# Altium PCB Sistema.PcbDoc (continued)
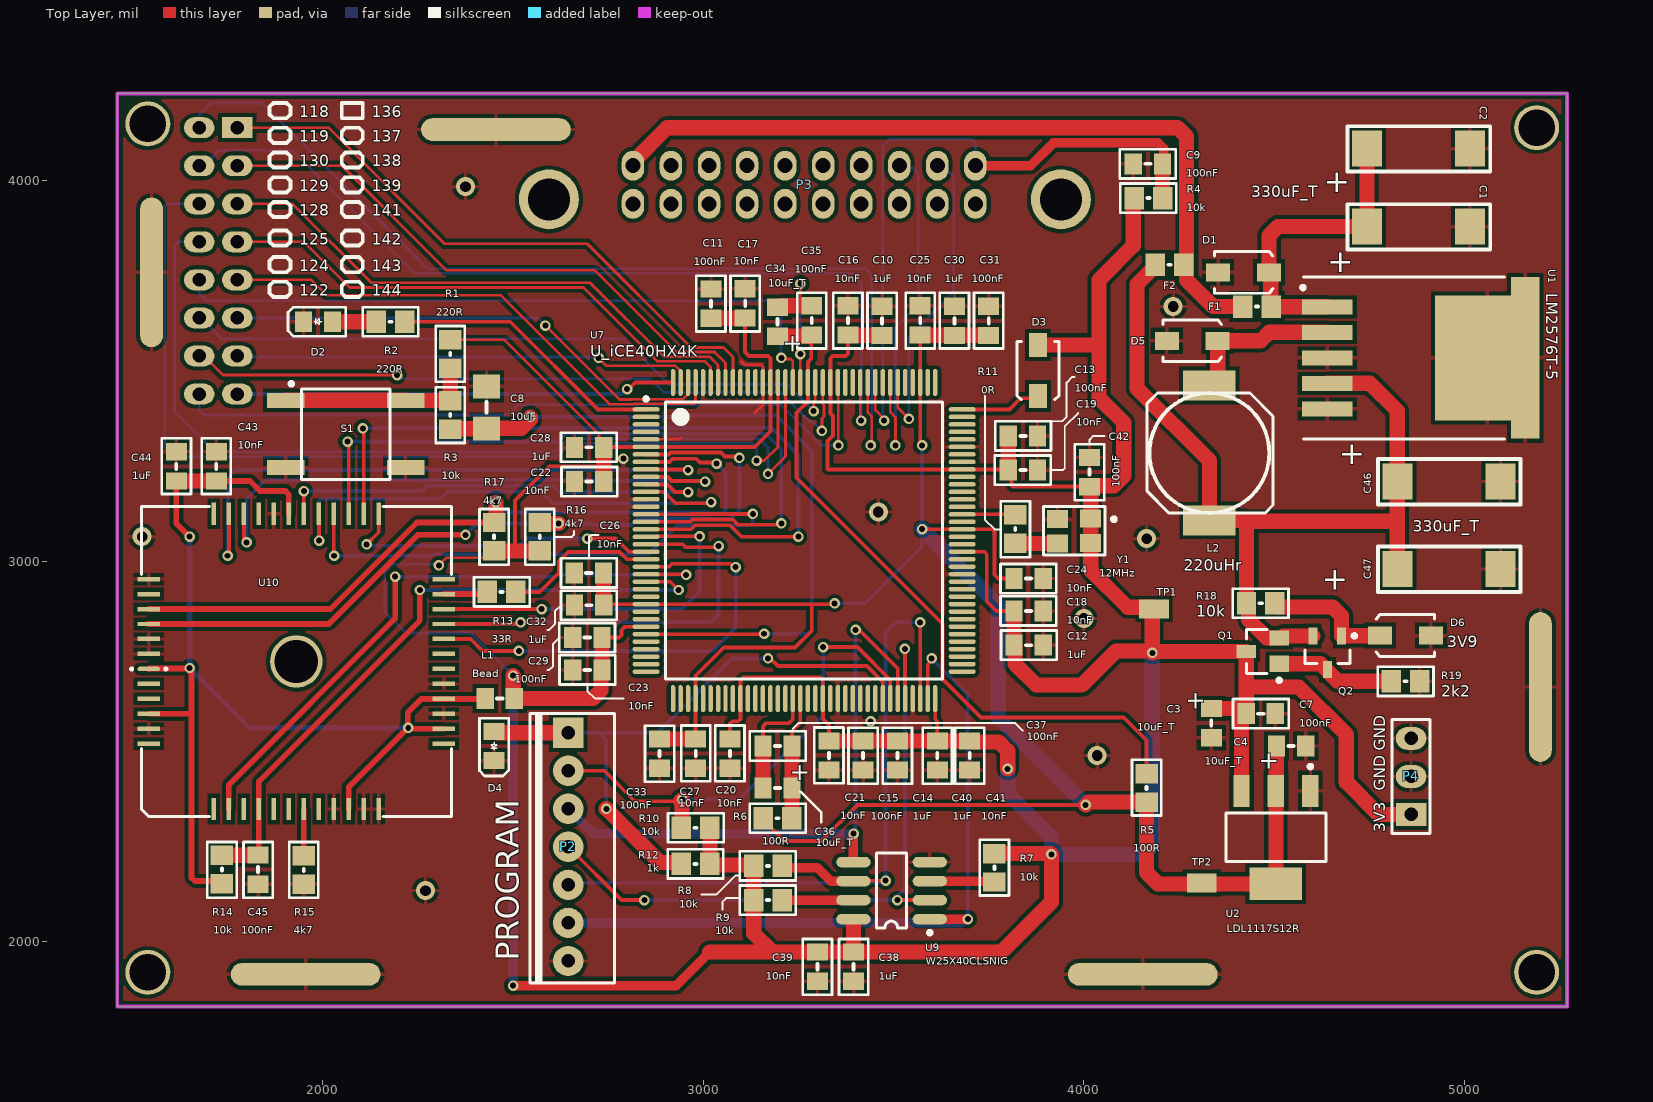
[diagram p0: Top Layer view]
## Part data (continued)
F1 F2: library part F_?_0805, "(Generico) Fuse SMD 0805", Supplier Part Number 1=SF-1206S200-2CT-ND, LatestRevisionDate=17-Jul-2002, LatestRevisionNote="Re-released for DXP Platform.", Origin=TAIWAN, PackageDescription="Thru-Hole; 2 Leads", PackageReference=PIN-W2/E2.8, Published=8-Jun-2000, Publisher="Altium Limited", Supplier 1=Digi-Key
L1: library part L_Bead, "Inductor SMD 0805", Case Code (Imperial)=0805, Case Code (Metric)=2012, Manufacturer=Pulse, Manufacturer Part Number=PE-0805PFB600ST, Max Current Rating=3A, Max Operating Temperature=105°C, Min Operating Temperature=-40°C, Package Quantity=4000, Supplier Part Number 1=673-PE-0805PFB600ST, Case/Package=0805, Category="Ferrite Beads and Chips", ComponentLink1Description=https://productfinder.pulseeng.com/doc_type/WEB301/doc_num/WC706/doc_part/WC706.pdf?src-supplier=Digikey, ComponentLink1URL=https://productfinder.pulseeng.com/doc_type/WEB301/doc_num/WC706/doc_part/WC706.pdf?src-supplier=Digikey, ComponentLink2Description=http://productfinder.pulseeng.com/products/datasheets/WC706.pdf?src-supplier=Digikey, ComponentLink2URL=http://productfinder.pulseeng.com/products/datasheets/WC706.pdf?src-supplier=Digikey, Height=0.041inch, Length=0.079inch, Mounting Technology="Surface Mount", Number of Lines=1, Packaging="Cut Tape", Pricing 1="1=0,1, 10=0,051, 50=0,051, 100=0,035, 1000=0,025, 10000=0,02 (USD)", RoHS=Yes, RoHS Compliant=Yes, Series=PFB, Stock 1=58506, Supplier 1=Mouser, Width=0.049inch
L2: library part L_?_5, "(Generico)  Inductor SMD 10x10"
P1: library part "P_Conector 8x2"
P2: library part "P_BORNERA 7", "Bornera 7"
P3: library part P_Conector_20_H, "Conector 20 Position Din Connector Plug, Male Pins Gold Through Hole, Right Angle", Current Rating=2A, Flammability Rating="UL94 V-0", Manufacturer="HARTING Technology", Manufacturer Part Number=09242206825, Package Quantity=20, Supplier Part Number 1=617-09-24-220-6825, Category="DIN 41612 Connectors", ComponentLink1Description=https://datasheet.ciiva.com/11731/0900766b811d3497-11731844.pdf?src-supplier=Rs, ComponentLink1URL=https://datasheet.ciiva.com/11731/0900766b811d3497-11731844.pdf?src-supplier=Rs, Connector Type=Receptacle, Contact Material="Copper Alloy", Contact Plating=Gold, Gender=Female, Housing Material=Thermoplastic, Insulation Material=Glass, Lead Free="Lead Free", Mounting Technology="Through Hole", Number of Contacts=20, Number of Positions=20, Number of Rows=2, Orientation=Straight, Packaging=Bulk, Pitch=2.54mm, Pricing 1="1=4,87, 10=4,27, 50=4,27, 100=3,55, 1000=2,94, 10000=2,74 (USD)", RoHS=Yes, RoHS Compliant=Yes, Series="DIN 41612", Shell Size=3B, Stock 1=166, Supplier 1=Mouser, Tail Length=4.5mm, Termination=Solder
P4: library part "P_Header 3", "Header, 3-Pin"
Q1: library part Q_SQ2389CES-T1_GE3, Supplier Part Number 1=78-SQ2389CES-T1_GE3, Supplier 1=Mouser
Q2: library part Q_BC856, "TRANS PNP 65V 0.1A SOT23", Case/Package=SOT-23-3, Clock Frequency=100MHz, Collector Base Voltage (VCBO)=80V, Collector Emitter Breakdown Voltage=65V, Collector Emitter Saturation Voltage=-650mV, Collector-emitter Voltage-Max=650mV, Current Rating=-100mA, Emitter Base Voltage (VEBO)=5V, Manufacturer="ON Semiconductor", Max Collector Current=100mA, Max Operating Temperature=150°C, Max Power Dissipation=300mW, Min Operating Temperature=-55°C, Package Quantity=3000, Supplier Part Number 1=863-BC856ALT1G, Voltage Rating (DC)=-65V, Category=BJTs, Collector Emitter Voltage (VCEO)=65V, ComponentLink1Description="Manufacturer Link", ComponentLink1URL=http://www.fairchildsemi.com/, ComponentLink2Description=Datasheet, ComponentLink2URL=http://www.fairchildsemi.com/ds/2N%2F2N3904.pdf, ComponentLink3Description=http://www.farnell.com/datasheets/1840529.pdf?src-supplier=Farnell, ComponentLink3URL=http://www.farnell.com/datasheets/1840529.pdf?src-supplier=Farnell, ComponentLink4Description=http://www.alliedelec.com/m/d/ae2fff4c1f3549b23e4cd9e6cc054b51.pdf?src-supplier=Allied+Electronics, ComponentLink4URL=http://www.alliedelec.com/m/d/ae2fff4c1f3549b23e4cd9e6cc054b51.pdf?src-supplier=Allied+Electronics, ComponentLink5Description=http://www.mouser.com/ds/2/308/BC856ALT1-D-249456.pdf?src-supplier=Mouser, ComponentLink5URL=http://www.mouser.com/ds/2/308/BC856ALT1-D-249456.pdf?src-supplier=Mouser, ComponentLink6Description=http://www.farnell.com/datasheets/1840529.pdf?src-supplier=Element14, ComponentLink6URL=http://www.farnell.com/datasheets/1840529.pdf?src-supplier=Element14, ComponentLink7Description=http://www.farnell.com/datasheets/1840529.pdf?src-supplier=Newark, ComponentLink7URL=http://www.farnell.com/datasheets/1840529.pdf?src-supplier=Newark, Contact Plating=Tin,Matte, Frequency=100MHz, Gain Bandwidth Product=100MHz, Height=0.94mm, hFE Min=125, Lead Free="Lead Free", Length=2.9mm, Manufacturer Part Number=BC856ALT1G, Max Breakdown Voltage=65V, Number of Elements=1, Packaging="Tape and Reel", Pins=3, Polarity=PNP, Power Dissipation=300mW, Pricing 1="1=0,11, 10=0,071, 50=0,071, 100=0,034, 1000=0,021, 10000=0,015 (USD)", Radiation Hardening=No, Reach SVHC Compliant=No, RoHS=Yes, RoHS Compliant=Yes, Series=-, Stock 1=30566, Supplier 1=Mouser, Transition Frequency=100MHz, Width=1.3mm
R1 R2: library part R_220R_b, "Resistor SMD 0805", Case Code (Imperial)=0805, Case Code (Metric)=2012, Manufacturer=Bourns, Manufacturer Part Number=CR0805-FX-2200ELF, Max Operating Temperature=155°C, Max Power Dissipation=125mW, Min Operating Temperature=-55°C, Package Quantity=5000, Supplier Part Number 1=CR0805-FX-2200ELFCT-ND, Temperature Coefficient=100ppm/°C, Tolerance=1%, Voltage Rating=150V, Case/Package=0805, Category="Chip SMD Resistors", ComponentLink1Description=https://datasheet.ciiva.com/5540/chpreztr-5540846.pdf?src-supplier=Mouser, ComponentLink1URL=https://datasheet.ciiva.com/5540/chpreztr-5540846.pdf?src-supplier=Mouser, Contact Plating=Tin, Features="Moisture Resistant", Height=0.5mm, Length=2mm, Mounting Technology="Surface Mount", Number of Terminations=2, Packaging="Tape and Reel", Power Rating=125mW, Pricing 1="1=0,1, 10=0,021, 50=0,0132, 100=0,011, 500=0,00744, 1000=0,00639 (USD)", Radiation Hardening=No, RoHS=Yes, RoHS Compliant=Yes, Series=CR0805, Stock 1=162372, Supplier 1=Digikey, Termination=SMD/SMT, Thickness=508um, Width=1.25mm
R3 R4 R7 R8 R9 R10 R14 R18: library part R_10k_b, "Resistor SMD 0805", Case Code (Imperial)=0805, Case Code (Metric)=2012, Manufacturer=Yageo, Manufacturer Part Number=AC0805FR-0710KL, Max Operating Temperature=155°C, Max Power Dissipation=125mW, Min Operating Temperature=-55°C, Package Quantity=1, Supplier Part Number 1=311-10KLGCT-ND, Temperature Coefficient=100ppm/°C, Tolerance=1%, Voltage Rating=150V, Case/Package=0805, Category="Chip SMD Resistors", ComponentLink1Description=http://www.yageo.com/NewPortal/yageodocoutput?fileName=/pdf/R-Chip/PYu-AC_51_RoHS_L_6.pdf&src-supplier=Digikey, ComponentLink1URL=http://www.yageo.com/NewPortal/yageodocoutput?fileName=/pdf/R-Chip/PYu-AC_51_RoHS_L_6.pdf&src-supplier=Digikey, ComponentLink2Description=http://www.yageo.com/documents/recent/PYu-AC_51_RoHS_L_2_revised.pdf?src-supplier=Future+Electronics, ComponentLink2URL=http://www.yageo.com/documents/recent/PYu-AC_51_RoHS_L_2_revised.pdf?src-supplier=Future+Electronics, ComponentLink3Description=http://www.yageo.com/NewPortal/yageodocoutput?fileName=/pdf/R-Chip/PYu-AC_51_RoHS_L_6.pdf&src-supplier=NAC+Semi, ComponentLink3URL=http://www.yageo.com/NewPortal/yageodocoutput?fileName=/pdf/R-Chip/PYu-AC_51_RoHS_L_6.pdf&src-supplier=NAC+Semi, ComponentLink4Description=http://www.yageo.com/NewPortal/yageodocoutput?fileName=/pdf/R-Chip/PYu-AC_51_RoHS_L_6.pdf&src-supplier=Rutronik, ComponentLink4URL=http://www.yageo.com/NewPortal/yageodocoutput?fileName=/pdf/R-Chip/PYu-AC_51_RoHS_L_6.pdf&src-supplier=Rutronik, Construction=Rectangular, Depth=1.25mm, Features="Moisture Resistant,Automotive AEC-Q200,Anti-Sulfur", Height=0.024inch, Lead Free="Lead Free", Length=0.079inch, Military Standard=Not, Number of Terminations=2, Packaging="Tape and Reel", Power Rating=125mW, Pricing 1="1=0,1, 10=0,031, 50=0,0198, 100=0,0166, 500=0,01152, 1000=0,00997 (USD)", RoHS=Yes, RoHS Compliant=Yes, Series=AC, Stock 1=480247, Supplier 1=Digikey, Termination=SMD/SMT, Width=0.049inch
R5 R6: library part R_100R_b, "Resistor SMD 0805", Case Code (Imperial)=0805, Case Code (Metric)=2012, Manufacturer="Vishay Dale", Manufacturer Part Number=CRCW0805100RFKEA, Max Operating Temperature=155°C, Max Power Dissipation=125mW, Min Operating Temperature=-55°C, Package Quantity=10, Resistance Tolerance=1%, Resistor Type="Thick Film", Supplier Part Number 1=71-CRCW0805-100-E3, Temperature Coefficient=100ppm/°C, Voltage Rating=150V, Case/Package=0805, Category="Chip SMD Resistors", ComponentLink1Description=https://datasheet.ciiva.com/2495/dcrcwe3-2495842.pdf?src-supplier=Digikey, ComponentLink1URL=https://datasheet.ciiva.com/2495/dcrcwe3-2495842.pdf?src-supplier=Digikey, ComponentLink2Description=https://datasheet.ciiva.com/16760/70201119-16760940.pdf?src-supplier=Allied+Electronics, ComponentLink2URL=https://datasheet.ciiva.com/16760/70201119-16760940.pdf?src-supplier=Allied+Electronics, ComponentLink3Description=https://datasheet.ciiva.com/16777/70201119-16777129.pdf?src-supplier=Allied+Electronics, ComponentLink3URL=https://datasheet.ciiva.com/16777/70201119-16777129.pdf?src-supplier=Allied+Electronics, ComponentLink4Description=https://datasheet.ciiva.com/5546/dcrcwe3-109170-5546700.pdf?src-supplier=Mouser, ComponentLink4URL=https://datasheet.ciiva.com/5546/dcrcwe3-109170-5546700.pdf?src-supplier=Mouser, Construction=Rectangular, Contact Plating=Tin, Depth=1.25mm, Features="Automotive AEC-Q200", Height=0.45mm, Lead Free=5697LeadFree, Length=2mm, Military Standard=Not, Number of Terminations=2, Packaging="Tape and Reel", Pins=2NUMBER, Power Rating=125mW, Pricing 1="1=0,1, 10=0,025, 50=0,025, 100=0,015, 1000=0,012, 10000=0,008 (USD)", Radiation Hardening=No, Reach SVHC Compliant=Unknown, RoHS=Yes, RoHS Compliant=Yes, Series=CRCW, Stock 1=173839, Supplier 1=Mouser, Technology="THICK FILM", Termination=SMD/SMT, Tolerance=1%, Voltage Rating (DC)=150V, Weight=0.000194oz, Width=0.049inch
R11: library part R_0R_b, "Resistor SMD 0805", Case Code (Imperial)=0805, Case Code (Metric)=2012, Manufacturer="Stackpole Electronics", Manufacturer Part Number=RMCF0805ZT0R00, Max Operating Temperature=155°C, Max Power Dissipation=125mW, Min Operating Temperature=-55°C, Ratings=AEC-Q200, Supplier Part Number 1=RMCF0805ZT0R00CT-ND, Temperature Coefficient=200ppm/°C, Voltage Rating=150V, Case/Package=0805, Category="Chip SMD Resistors", ComponentLink1Description=https://datasheet.ciiva.com/15193/getdatasheetpartid-360417-15193658.pdf?src-supplier=Verical, ComponentLink1URL=https://datasheet.ciiva.com/15193/getdatasheetpartid-360417-15193658.pdf?src-supplier=Verical, Construction=Rectangular, Contact Plating=Tin,Matte, Depth=1.25mm, Features="Automotive AEC-Q200", Height=0.026inch, Lead Free="Lead Free", Length=2mm, Military Standard=Not, Mounting Technology="Surface Mount", Number of Terminations=2, Packaging="Tape and Reel", Power Rating=125mW, Pricing 1="1=0,1, 10=0,017, 25=0,0128, 50=0,0096, 100=0,0068, 250=0,00544, 500=0,00436, 1000=0,00321 (USD)", Radiation Hardening=No, RoHS=Yes, RoHS Compliant=Yes, Series=RMCF, Stock 1=1321891, Supplier 1=Digikey, Width=0.049inch
R12: library part R_1k_b, "Resistor SMD 0805", Case Code (Imperial)=0805, Case Code (Metric)=2012, Manufacturer=Bourns, Manufacturer Part Number=CR0805-FX-1001ELF, Max Operating Temperature=155°C, Max Power Dissipation=125mW, Min Operating Temperature=-55°C, Package Quantity=5000, Resistance Tolerance=1%, Resistor Type="Thick Film", Supplier Part Number 1=CR0805-FX-1001ELFCT-ND, Temperature Coefficient=100ppm/°C, Voltage Rating=150V, Case/Package=0805, Category="Chip SMD Resistors", ComponentLink1Description=https://datasheet.ciiva.com/11810/0900766b80fcdb72-11810305.pdf?src-supplier=Rs, ComponentLink1URL=https://datasheet.ciiva.com/11810/0900766b80fcdb72-11810305.pdf?src-supplier=Rs, ComponentLink2Description=https://datasheet.ciiva.com/27049/775383-27049976.pdf?src-supplier=Jameco, ComponentLink2URL=https://datasheet.ciiva.com/27049/775383-27049976.pdf?src-supplier=Jameco, ComponentLink3Description=https://datasheet.ciiva.com/7986/1856384-7986222.pdf?src-supplier=Element14, ComponentLink3URL=https://datasheet.ciiva.com/7986/1856384-7986222.pdf?src-supplier=Element14, ComponentLink4Description=https://datasheet.ciiva.com/9123/chpreztr-9123643.pdf?src-supplier=Avnet, ComponentLink4URL=https://datasheet.ciiva.com/9123/chpreztr-9123643.pdf?src-supplier=Avnet, ComponentLink5Description=https://datasheet.ciiva.com/6547/chpreztr-6547422.pdf?src-supplier=Digikey, ComponentLink5URL=https://datasheet.ciiva.com/6547/chpreztr-6547422.pdf?src-supplier=Digikey, ComponentLink6Description=https://datasheet.ciiva.com/6547/chpreztr-6547423.pdf?src-supplier=Digikey, ComponentLink6URL=https://datasheet.ciiva.com/6547/chpreztr-6547423.pdf?src-supplier=Digikey, ComponentLink7Description=https://datasheet.ciiva.com/6547/chpreztr-6547421.pdf?src-supplier=Digikey, ComponentLink7URL=https://datasheet.ciiva.com/6547/chpreztr-6547421.pdf?src-supplier=Digikey, ComponentLink8Description=https://datasheet.ciiva.com/30129/159chpreztr-30129981.pdf?src-supplier=Onlinecomponents.com, ComponentLink8URL=https://datasheet.ciiva.com/30129/159chpreztr-30129981.pdf?src-supplier=Onlinecomponents.com, ComponentLink9Description=https://datasheet.ciiva.com/46394/691949-46394380.pdf?src-supplier=Element14, ComponentLink9URL=https://datasheet.ciiva.com/46394/691949-46394380.pdf?src-supplier=Element14, ComponentLink10Description=https://datasheet.ciiva.com/16722/70154685-16722677.pdf?src-supplier=Allied+Electronics, ComponentLink10URL=https://datasheet.ciiva.com/16722/70154685-16722677.pdf?src-supplier=Allied+Electronics, ComponentLink11Description=https://datasheet.ciiva.com/48692/001055506-da-01-en-smd-wid-cr0805-fx-1001elf-1k-ohm-1-8w-48692106.pdf?src-supplier=Conrad, ComponentLink11URL=https://datasheet.ciiva.com/48692/001055506-da-01-en-smd-wid-cr0805-fx-1001elf-1k-ohm-1-8w-48692106.pdf?src-supplier=Conrad, Contact Plating=Tin, Depth=1.25mm, Features="Moisture Resistant", Height=0.5mm, Length=2mm, Mounting Technology="Surface Mount", Number of Terminations=2, Packaging="Tape and Reel", Pins=2, Power Rating=125mW, Pricing 1="1=0,1, 10=0,021, 50=0,0132, 100=0,011, 500=0,00744, 1000=0,00639 (USD)", Radiation Hardening=No, Reach SVHC Compliant=No, RoHS=Yes, RoHS Compliant=Yes, Series=CR0805, Stock 1=453972, Supplier 1=Digikey, Technology="THICK FILM", Termination=SMD/SMT, Thickness=508um, Tolerance=1%, Voltage Rating (DC)=150V, Width=1.25mm
R13: library part R_33R_b, "Resistor SMD 0805", Case Code (Imperial)=0805, Case Code (Metric)=2012, Manufacturer="Stackpole Electronics", Manufacturer Part Number=RMCF0805FT33R0, Max Operating Temperature=155°C, Max Power Dissipation=125mW, Min Operating Temperature=-55°C, Ratings=AEC-Q200, Supplier Part Number 1=RMCF0805FT33R0CT-ND, Temperature Coefficient=100ppm/°C, Tolerance=1%, Voltage Rating=150V, Case/Package=0805, Category="Chip SMD Resistors", ComponentLink1Description=http://components.arrow.com/part/dataview/50498375S389572N1174?src-supplier=Arrow+Electronics, ComponentLink1URL=http://components.arrow.com/part/dataview/50498375S389572N1174?src-supplier=Arrow+Electronics, ComponentLink2Description=https://www.seielect.com/catalog/SEI-RMCF_RMCP.pdf?src-supplier=Avnet, ComponentLink2URL=https://www.seielect.com/catalog/SEI-RMCF_RMCP.pdf?src-supplier=Avnet, ComponentLink3Description=https://www.seielect.com/Catalog/SEI-RMCF_RMCP.pdf?src-supplier=Digikey, ComponentLink3URL=https://www.seielect.com/Catalog/SEI-RMCF_RMCP.pdf?src-supplier=Digikey, ComponentLink4Description=https://www.seielect.com/catalog/SEI-Packaging.pdf?src-supplier=Digikey, ComponentLink4URL=https://www.seielect.com/catalog/SEI-Packaging.pdf?src-supplier=Digikey, Contact Plating=Tin,Matte, Features="Automotive AEC-Q200", Height=0.026inch, Length=0.079inch, Mounting Technology="Surface Mount", Number of Terminations=2, Packaging="Tape and Reel", Pricing 1="1=0,1, 10=0,02, 50=0,0124, 100=0,0103, 500=0,007, 1000=0,00601 (USD)", Radiation Hardening=No, RoHS=Yes, RoHS Compliant=Yes, Series=RMCF, Stock 1=76142, Supplier 1=Digikey, Width=0.049inch
R15 R16 R17: library part R_4k7_b, "Resistor SMD 0805", Case Code (Imperial)=0805, Case Code (Metric)=2012, Manufacturer="Stackpole Electronics", Manufacturer Part Number=RMCF0805FT4K70, Max Operating Temperature=155°C, Max Power Dissipation=125mW, Min Operating Temperature=-55°C, Ratings=AEC-Q200, Supplier Part Number 1=RMCF0805FT4K70CT-ND, Temperature Coefficient=100ppm/°C, Tolerance=1%, Case/Package=0805, Category="Chip SMD Resistors", ComponentLink1Description=https://www.seielect.com/catalog/SEI-RMCF_RMCP.pdf?src-supplier=Avnet, ComponentLink1URL=https://www.seielect.com/catalog/SEI-RMCF_RMCP.pdf?src-supplier=Avnet, ComponentLink2Description=https://www.seielect.com/Catalog/SEI-RMCF_RMCP.pdf?src-supplier=Digikey, ComponentLink2URL=https://www.seielect.com/Catalog/SEI-RMCF_RMCP.pdf?src-supplier=Digikey, ComponentLink3Description=https://www.seielect.com/catalog/SEI-Packaging.pdf?src-supplier=Digikey, ComponentLink3URL=https://www.seielect.com/catalog/SEI-Packaging.pdf?src-supplier=Digikey, ComponentLink4Description=http://components.arrow.com/part/dataview/44988207S7163511N1174?src-supplier=Arrow+Electronics, ComponentLink4URL=http://components.arrow.com/part/dataview/44988207S7163511N1174?src-supplier=Arrow+Electronics, ComponentLink5Description=http://www.seielect.com/catalog/sei-rmc.pdf?src-supplier=Future+Electronics, ComponentLink5URL=http://www.seielect.com/catalog/sei-rmc.pdf?src-supplier=Future+Electronics, ComponentLink6Description=https://datasheet.octopart.com/RMCF0805FT4K70-Stackpole-Electronics-datasheet-11547379.pdf?src-supplier=Future+Electronics, ComponentLink6URL=https://datasheet.octopart.com/RMCF0805FT4K70-Stackpole-Electronics-datasheet-11547379.pdf?src-supplier=Future+Electronics, ComponentLink7Description=https://www.verical.com/server-webapp/html/getDatasheet?partID=409513&src-supplier=Verical, ComponentLink7URL=https://www.verical.com/server-webapp/html/getDatasheet?partID=409513&src-supplier=Verical, Construction=Rectangular, Contact Plating=Tin,Matte, Depth=1.25mm, Features="Automotive AEC-Q200", Height=0.026inch, Lead Free="Lead Free", Length=2mm, Military Standard=Not, Mounting Technology="Surface Mount", Number of Terminations=2, Packaging="Tape and Reel", Power Rating=125mW, Pricing 1="1=0,1, 10=0,02, 50=0,0124, 100=0,0103, 500=0,007, 1000=0,00601 (USD)", Radiation Hardening=No, RoHS=Yes, RoHS Compliant=Yes, Series=RMCF, Stock 1=619298, Supplier 1=Digikey, Width=0.049inch
R19: library part R_2k2_b, "Resistor SMD 0805", Case Code (Imperial)=0805, Case Code (Metric)=2012, Manufacturer=Bourns, Manufacturer Part Number=CR0805-FX-2201ELF, Max Operating Temperature=155°C, Min Operating Temperature=-55°C, Package Quantity=5000, Power Rating=125mW, Resistance Tolerance=1%, Resistor Type="Thick Film", Supplier Part Number 1=118-CR0805-FX-2201ELFCT-ND, Temperature Coefficient=100ppm/°C, Voltage Rating=150V, Case/Package=0805, Category="Chip SMD Resistors", ComponentLink1Description=https://datasheet.ciiva.com/22713/691949-22713256.pdf?src-supplier=Element14, ComponentLink1URL=https://datasheet.ciiva.com/22713/691949-22713256.pdf?src-supplier=Element14, ComponentLink2Description=https://datasheet.ciiva.com/5541/chpreztr-5541000.pdf?src-supplier=Mouser, ComponentLink2URL=https://datasheet.ciiva.com/5541/chpreztr-5541000.pdf?src-supplier=Mouser, Contact Plating=Tin, Height=0.5mm, Length=2mm, Mounting Technology="Surface Mount", Packaging="Tape and Reel", Pricing 1="1=0,1, 10=0,021, 50=0,0132, 100=0,011, 500=0,00744, 1000=0,00639 (USD)", Radiation Hardening=No, Reach SVHC Compliant=No, RoHS=Yes, RoHS Compliant=Yes, Series=CR0805, Stock 1=80126, Supplier 1=Digikey, Termination=SMD/SMT, Thickness=508um, Tolerance=1%, Voltage Rating (DC)=150V, Width=1.25mm
S1: library part S_?_3, "(Generico) Switch SMD"
TP1 TP2: library part P_T_TP, "Test Point SMD", Supplier Part Number 1=279-RCT-0C, LatestRevisionDate=17-Jul-2002, LatestRevisionNote="Re-released for DXP Platform.", Origin=CHINA, PackageDescription="Axial Device, Thru-Hole; 2 Leads; 0.3 in Pin Spacing", PackageReference=AXIAL-0.3, Published=8-Jun-2000, Publisher="Altium Limited", Supplier 1=Mouser, Type=CONNECTOR
U1: library part U_LM2576-3.3WU, Supplier Part Number 1=998-LM2576-3.3WUTR, Supplier 1=Mouser
U2: library part U_LDL1117, "LDL1117 Series 1.2 A 2.5 V High PSRR LDO Linear Voltage Regulator-SOT-223", Case/Package=TO-261-4, Manufacturer=STMicroelectronics, Manufacturer Part Number=LDL1117S25R, Max Operating Temperature=125°C, Max Supply Voltage=18V, Min Operating Temperature=-40°C, Min Output Voltage=2.5V, Min Supply Voltage=2.6V, Nominal Supply Current=250uA, Output Current=1.2A, Power Supply Rejection Ratio (PSRR)=65dB, Quiescent Current=500uA, Supplier Part Number 1=511-LDL1117S25R, Accuracy=2%, Category="Voltage Regulators - Linear", ComponentLink1Description=http://www.farnell.com/datasheets/2342741.pdf?src-supplier=Farnell, ComponentLink1URL=http://www.farnell.com/datasheets/2342741.pdf?src-supplier=Farnell, ComponentLink2Description=http://www.st.com/content/ccc/resource/technical/document/datasheet/group3/0e/5a/00/ca/10/1a/4f/a5/DM00366442/files/DM00366442.pdf/jcr:content/translations/en.DM00366442.pdf?src-supplier=Digikey, ComponentLink2URL=http://www.st.com/content/ccc/resource/technical/document/datasheet/group3/0e/5a/00/ca/10/1a/4f/a5/DM00366442/files/DM00366442.pdf/jcr:content/translations/en.DM00366442.pdf?src-supplier=Digikey, ComponentLink3Description=https://datasheet.octopart.com/LDL1117S25R-STMicroelectronics-datasheet-165583407.pdf?src-supplier=TME, ComponentLink3URL=https://datasheet.octopart.com/LDL1117S25R-STMicroelectronics-datasheet-165583407.pdf?src-supplier=TME, Height=1.8mm, Mounting Technology="Surface Mount", Number of Channels=1NUMBER, Number of Outputs=1NUMBER, Number of Regulators=1, Output Configuration=Positive, Output Type=Fixed, Output Voltage=2.5V, Packaging="Cut Tape", Pricing 1="1=1,1, 10=0,98, 50=0,935, 100=0,757, 1000=0,478, 10000=0,415 (USD)", RoHS=Yes, RoHS Compliant=Yes, Series=-, Stock 1=10345, Supplier 1=Mouser
U7: Supplier Part Number 1=220-1572-ND, Supplier 1=Digikey
U9: library part U_W25X40CLSNIG, Supplier Part Number 1=W25X40CLSNIG-ND, Supplier 1=Digikey
U10: library part MT9M001C12STM, "SENSOR 1/2 PULGADA 1 MEGAPIXEL", Supplier Part Number 1=30AC9943, ComponentLink1Description=DATASHEET, ComponentLink1URL=https://github.com/Fresita-codificadora/Proyecto_Final_DOME/blob/main/datasheet/HOJA_DE_DATOS_IMAGER_mt9m001_USADO_CON_FPGA.pdf, Supplier 1=Newark, Supplier 2=Farnell, Supplier Part Number 2=3613986
Y1: library part Y_12MHZ, Supplier Part Number 1=XC2882CT-ND, Supplier 1=Digikey

## Free pads (board coordinates)
  round 118.11 hole 96.46: 2(1540,1920) 2(1540,4150) 2(5190,1920) 2(5190,4140)
  round 27.56 hole 15.75 mask+4: 9(3440,2580)
  oval 60x393.7 smd: 10(1550,3760) 10(5200,2670)
  oval 393.7x60 smd: 10(1955,1915) 10(2455,4135) 10(4155,1915)

## Via types
v1: diameter 27.56, hole 15.75, Top Layer to Bottom Layer, tented both sides, 77 vias
v2: diameter 50, hole 28, Top Layer to Bottom Layer, tented both sides, 8 vias

## Nets (pads, with @x,y where several pads share a name; then routed paths per layer and width w, separated by ;. In a path a pad name is that pad's centre, name@x,y a point inside that pad or via, vN(x,y) a via of type N, cw(c..) or ccw(c..) an arc to the next point about the centre after c; other vN are vias at no path point)
1V2: C4.1 C24.1 C25.1 C26.1 C27.1 C30.2 C31.2 C32.2 C33.2 R5.1 R6.1 TP2.1 U2.2 U2.4 U7.27 U7.40 U7.92 U7.111 | length 5650.8
  Top Layer w10: C32.2 2741.06,2887.68 U7.27 3285,2887.68 ; C27.1 2979.57,2533.82 U7.40 2979.57,2699.57 3053.78,2773.78 3241.22,2773.78 3285,2817.56 3285,2887.68 ; R6.1 3157.6,2321.06 3213.66,2265 3310,2265 3405,2360 v1(4005,2360) ; v1(3345,2890) 3342.68,2887.68 3285,2887.68 ; C25.1@3570.49,3594.51 3570.12,3594.13 U7.111 3570.12,3314.63 3575,3309.75 v1(3575,3305) ; v1(3575,3085) 3575.47,3084.53 U7.92 3759.14,3084.53 3765,3078.67 3765,2965 3775,2955 C24.1
  Top Layer w40: C26.1 2737.89,2969.51 2737.89,2885.49 C32.2 ; C33.2 C27.1 ; C25.1@3570.49,3594.51 3749.51,3594.51 C31.2 ; v1(4005,2360) 4012.6,2367.6 R5.1 4165,2182.68 4195,2152.68 4504.72,2152.68 U2.4 U2.2 4505.81,2397.85 4505.81,2514.19 C4.1
  Bottom Layer w10: v1(3345,2890) 3425,2890 3575,3040 v1(3575,3085) v1(3575,3305)
  Bottom Layer w40: v1(3575,3085) 3775,2885 3775,2590 v1(4005,2360)
3V3: C3.1 C7.2 C10.2 C11.2 C12.2 C13.2 C14.2 C15.2 C16.1 C17.1 C18.1 C19.1 C20.1 C21.1 C22.1 C23.1 C28.2 C29.2 C38.2 C39.2 C40.2 C41.2 C42.1 D3.2 L1.1 P4.1 Q1.3 R1.2 R4.2 R7.2 R8.2 R9.2 R10.2 R12.1 R16.2 R17.2 TP1.1 U2.3 U7.6 U7.30 U7.46 U7.57 U7.72 U7.89 U7.100 U7.123 U7.131 U9.8 Y1.1 Y1.4 | length 13948.6
  Top Layer w7: v1(2305,2990) 2325,3010 2428.46,3010 2446.06,3027.6 R17.2 ; R1.2 2477.6,3582.4 2726.04,3333.96 2726.04,3312.34 C28.2
  Top Layer w10: 2505,3027.6 2505,3160 2595,3250 2733.39,3250 2738.39,3255 ; R16.2@2545,3027.6 2546.07,3028.67 2583.67,3028.67 R16.2@2583.67,3037.33 ; C22.1@2720.75,3192.36 C22.1 ; C29.2 2779.14,2800 2785,2805.86 2785,2819.14 2794.48,2828.62 U7.30 ; C28.2 2739.45,3301.06 U7.6 3135.21,3301.06 3176.42,3342.28 U7.131 3176.42,3534.14 3170.56,3540 3120,3540 3109.51,3550.49 3109.51,3639.02 C17.1@3109.51,3640 ; C20.1 3070,2574.14 3075.86,2580 3091.82,2580 3097.68,2585.86 U7.46 3097.68,2687.68 3105,2695 3308.01,2695 3313.87,2689.14 3313.87,2639.99 U7.57 3314.21,2585.79 3330,2570 C21.1 ; C16.1 3380,3545.86 3374.14,3540 3339.76,3540 3333.9,3534.14 U7.123 3333.9,3388.98 3340.58,3382.29 3340.58,3331.28 3326.22,3316.92 3326.22,3242.85 3327.06,3242.01 U7.100 3799.61,3242.01 C19.1 3810.02,3231.6 3810.02,3199.98 3813.39,3196.61 C42.1 ; U7.72 3609.49,2585.51 3615,2580 C40.2 ; U7.89 3738.67,3025.47 3745,3019.14 3745,2895 3770,2870 C18.1
  Top Layer w25: v1(2500,1885) 2928.66,1885 3017.05,1973.39
  Top Layer w40: R17.2 2505,3027.6 R16.2@2545,3027.6 ; v1(2500,2700) 2500.75,2699.25 2500.75,2642.64 L1.1 2709.95,2640 2730.75,2660.79 2730.75,2712.36 C23.1 C29.2 ; C22.1 2738.39,3255 C28.2 ; 3017.05,1973.39 3181.61,1973.39 ; R10.2 R12.1 3019.9,2202.5 3130.1,2202.5 R9.2 R8.2 3132.6,2022.4 3181.61,1973.39 ; C11.2 C17.1@3109.51,3639.02 ; C21.1 C15.2 C14.2 C40.2 C41.2 3702.64,2525.75 3776.57,2525.75 3800,2502.32 v1(3800,2455) ; C16.1 3380.49,3594.51 3469.51,3594.51 C10.2 ; 3395,2045 C38.2 ; R7.2 3912.6,2232.4 v1(3915,2230) 3915,2105 3783.39,1973.39 C38.2 ; C19.1@3801.61,3242.01 C13.2 ; C18.1 C12.2 3819.25,2777.36 3819.25,2730.75 3875,2675 3995,2675 4085,2765 4175,2765 v1(4180,2760) ; D3.2 4040,3568.86 ; R4.2 4130,3952.4 4130,3830 4040,3740 4040,3568.86 ; TP1.1@4180,2870.39 v1(4180,2760) ; TP1.1@4180.39,2879.61 4115.39,2879.61 4018,2977 Y1.4 Y1.1 4018,3193.98 4015.36,3196.61 C42.1 4017.64,3199.25 4079.25,3199.25 4105,3225 4105,3365 4040,3430 4040,3568.86 ; C3.1 C7.2@4411.06,2613.39 ; U2.3 C7.2@4414.45,2600 ; C7.2 4426.65,2600.04 4426.65,2670 ; P4.1 4775,2335 4690,2420 4690,2545 4565,2670 4426.65,2670 ; 3181.61,1973.39 C39.2 C38.2 ; v1(4180,2760) 4183.52,2763.52 Q1.3 Q1.3 4426.65,2670
  Bottom Layer w7: v1(2305,2990) 2302.72,2992.28 2183.7,2992.28 2162.72,2971.3 2162.72,2867.28 2218.03,2811.97 2388.03,2811.97 v1(2500,2700)
  Bottom Layer w25: v1(2500,1885) v1(2500,2700)
  Bottom Layer w40: v1(3800,2455) 3800,2390 3915,2275 v1(3915,2230) 4155,2230 4180,2255 v1(4180,2760)
3V3_unprotected: C46.1 C47.1 F2.2 L2.2 Q1.2 Q2.2 R18.2 U1.4 | length 2354.5
  Top Layer w40: F2.2 4182.01,3774.41 4182.01,3770.47 4140,3728.46 4140,3455 4330,3265 L2.2 4430,3107.83 4427.6,3105.43 ; Q2.2 4523.92,2804.29 4518.58,2798.96 4481.04,2798.96 4433.19,2846.81 4433.19,2884.41 R18.2 4427.6,3105.43 ; U1.4 4751.85,3468.15 4824,3396 4824,3109.43 ; C47.1 4824,3109.43 ; 4427.6,3105.43 4820,3105.43 4824,3109.43
Btn_1: C8.2 R3.2 U7.31 | length 1918.1
  Top Layer w10: U7.31 3158.94,2808.94 v1(3160,2810)
  Top Layer w40: R3.2 2336.14,3348.74 2428.86,3348.74 C8.2 2521.57,3349.88 2545,3373.31 v1(2545,3380)
  Bottom Layer w10: v1(2545,3380) 2943,3380 2947.28,3384.28 3190.72,3384.28 3285,3290 3285,2820 3275,2810 v1(3160,2810)
GND: C1.2 C2.2 C3.2 C4.2 C7.1 C8.1 C9.1 C10.1 C11.1 C12.1 C13.1 C14.1 C15.1 C16.2 C17.2 C18.2 C19.2 C20.2 C21.2 C22.2 C23.2 C24.2 C25.2 C26.2 C27.2 C28.1 C29.1 C30.1 C31.1 C32.1 C33.1 C38.1 C39.1 C40.1 C41.1 C42.2 C43.1 C44.1 C45.1 C46.2 C47.2 D1.2 D2.1 D4.1 D5.2 D6.2 P2.7 P4.2 P4.3 pad.9 pad.10 R15.1 R19.2 S1.2 U1.3 U1.5 U1.6 U2.1 U7.5 U7.13 U7.14 U7.59 U7.69 U7.86 U7.103 U7.132 U7.140 U9.4 U10.5 U10.15 U10.17 U10.18 U10.21 U10.23 U10.38 U10.43 U10.47 U10.48 Y1.2 | length 285.2
  Top Layer w7: U7.5 2935.75,3320.75 2940,3325 ; 3100,3525 3108.9,3516.1 3152.63,3516.1 3156.73,3512 U7.132 3156.73,3411.73 3135,3390
  other v1: 2790,3270
  other v2: 2270,2135 4035,2490 4000,2850 4165,3060 1525,3065 3460,3130 4235,3670 2375,3985
Led_1: R2.2 U7.1 | length 730.3
  Top Layer w10: R2.2 2492.43,3630 2722.94,3399.49 U7.1
NetC1_1: C1.1 C2.1 D1.1 F1.2 U1.1 | length 793.5
  Top Layer w40: D1.1 4486.93,3856.57 4510.36,3880 C1.1 C2.1 ; D1.1@4491.2,3746.87 4491.2,3671.2 F1.2 4492.94,3669.46 4639.53,3669.46 U1.1
NetC9_2: C9.2 P3.A10 R4.1 U7.117 | length 1805.6
  Top Layer w7: U7.117 3452.01,3397.99 3475,3375 v1(3475,3370)
  Top Layer w25: P3.A10 3860,4040 3920,4100 4195.36,4100 4202.68,4092.68 4210,4085.36 4210,4048.23 C9.2 C9.2@4207.09,4044.69 ; R4.1@4207.09,3955.31 R4.1
  Top Layer w40: R4.1@4207.09,3955.31 C9.2@4207.09,4044.69
  Bottom Layer w7: v1(3475,3370) 3471.97,3373.03 3471.97,4091.97 3490,4110 3705,4110 3715,4100 P3.A10
NetC34_1: C34.1 C35.1 R5.2 U7.126 | length 1851.6
  Top Layer w10: C35.1 3283.78,3593.78 3283.78,3533.08 3274.84,3524.14 3274.84,3420.54 3245,3390.7 3245,3220 3628.78,2836.22 3628.78,2691.22 3730,2590 4105,2590 4165,2530 R5.2
  Top Layer w40: C34.1 C35.1@3276.69,3591.61
NetC34_2: C34.2 C35.2 U7.127 | length 439.3
  Top Layer w7: v1(3255,3545) 3255.16,3544.84 U7.127 ; v1(3255,3730) 3255,3671.77 C35.2
  Top Layer w40: C34.2 3199.92,3668.39 3203.31,3671.77 3260.94,3671.77 3280.08,3671.77 C35.2
  Bottom Layer w7: v1(3255,3545) v1(3255,3730)
NetC36_1: C36.1 C37.1 R6.2 U7.54 | length 324.1
  Top Layer w10: C37.1 3233.39,2555.1 3255,2576.72 3255,2639.49 U7.54
  Top Layer w40: R6.2 3232.89,2325.49 3232.89,2405 3232.89,2514.51 C37.1
NetC36_2: C36.2 C37.2 U7.53 | length 267.6
  Top Layer w10: C37.2 3156.61,2566.61 3165,2575 3225,2575 3235,2585 U7.53@3235,2605
  Top Layer w40: C36.2 C37.2
NetC45_2: C45.2 R14.1 U7.24 U10.10 | length 1742.4
  Top Layer w10: U7.24 2913.27,2946.73 v1(2935,2925)
  Top Layer w15: C45.2 1831.89,2230.28 U10.10 1831.89,2421.89 2255,2845 v1(2255,2925)
  Top Layer w40: R14.1 1735.49,2227.89 1829.51,2227.89 C45.2
  Bottom Layer w10: v1(2255,2925) v1(2935,2925)
NetD2_2: D2.2 R2.1 | length 114.2
  Top Layer w40: D2.2 R2.1
NetD3_1: D3.1 U7.108 | length 214.4
  Top Layer w10: U7.108 3804.49,3399.49 3834.14,3429.14 3874.14,3429.14 D3.1
NetD4_2: D4.2 P2.1 R12.2 U7.65 | length 1639
  Top Layer w10: v1(3170,2745) 3175.86,2745 3195.86,2725 3430,2725 3471.35,2683.65 3471.35,2639.99 U7.65
  Top Layer w40: D4.2 2454.92,2553.39 2458.31,2550 P2.1 ; v1(2745,2350) 2886.31,2208.69 2938.91,2208.69 R12.2
  Bottom Layer w10: P2.1 2725,2550 ; v1(2745,2350) 2745,2530 2725,2550 ; v1(3170,2745) 3075,2745 2880,2550 2725,2550
NetD5_1: D5.1 L2.1 U1.2 | length 415.7
  Top Layer w40: L2.1@4350,3462.17 4351.93,3464.09 D5.1 4465,3580 4487.15,3602.15 U1.2
NetD6_1: D6.1 Q2.1 R18.1 | length 344.7
  Top Layer w40: R18.1 4502.4,2886.22 4507.99,2880.63 4653.97,2880.63 4677.4,2857.2 Q2.1 4677.76,2804.65 4777.72,2804.65 D6.1
NetF1_1: F1.1 F2.1 P3.A1 | length 2065.1
  Top Layer w40: P3.A1 2815,4049.84 2905.16,4140 4246.57,4140 4270,4116.57 4270,3740 4340,3670 F1.1
NetP1_1: P1.1 U7.136 | length 1619.4
  Top Layer w7: P1.1 2015,4140 2320,3835 2695,3835 2967.71,3562.29 3052.71,3562.29 3077.99,3537.01 U7.136
NetP1_2: P1.2 U7.118 | length 2620.1
  Top Layer w7: U7.118 3432.32,3391.26 3442.28,3381.3 3442.28,3307.28 v1(3440,3305)
  Bottom Layer w7: P1.2 1675.69,4140.69 1675.69,4173.9 1706.79,4205 1840,4205 2275.72,3769.28 3425.72,3769.28 3442.28,3752.72 3442.28,3307.28 v1(3440,3305)
NetP1_3: P1.3 U7.137 | length 1549.3
  Top Layer w7: P1.3 2050,4040 2325,3765 2715,3765 2929.71,3550.29 3029.71,3550.29 3058.31,3521.69 U7.137
NetP1_4: P1.4 U7.119 | length 2367.2
  Top Layer w7: U7.119 3412.64,3372.36 v1(3415,3370)
  Bottom Layer w7: P1.4 1687.5,4040 1728.5,4081 1919,4081 2242.72,3757.28 3393.62,3757.28 3415,3735.9 v1(3415,3370)
NetP1_5: P1.5 U7.138 | length 1485.1
  Top Layer w7: P1.5 1920,3940 2127.5,3732.5 2702.5,3732.5 2896.71,3538.29 3016.71,3538.29 3038.62,3516.38 U7.138
NetP1_6: P1.6 U7.130 | length 2586.8
  Top Layer w7: v1(3140,3265) 3160,3265 3196.1,3301.1 U7.130
  Bottom Layer w7: P1.6 1590,3940 1585,3935 1585,3300 1610,3275 2614.66,3275 2649.94,3310.28 3130,3310.28 3140,3300.28 v1(3140,3265)
NetP1_7: P1.7 U7.139 | length 1420.9
  Top Layer w7: P1.7 1950,3840 2070,3720 2685,3720 2878.71,3526.29 3003.71,3526.29 3018.94,3511.06 U7.139
NetP1_8: P1.8 U7.129 | length 2461.6
  Top Layer w7: v1(3170,3230) 3215.79,3275.79 U7.129
  Bottom Layer w7: P1.8 1619.8,3840 1609.9,3830.1 1610,3830 1610,3395 1717.28,3287.72 2610.41,3287.72 2644.97,3322.28 3147.72,3322.28 3170,3300 v1(3170,3230)
NetP1_9: P1.9 U7.141 | length 1393.4
  Top Layer w7: P1.9 1970,3740 2010,3700 2466.42,3700 2752.98,3413.44 2816.27,3413.44 2817.25,3414.42 2974.89,3414.42 2979.57,3419.1 U7.141
NetP1_10: P1.10 U7.128 | length 1792.3
  Top Layer w7: v1(3205.18,3535) 3208.23,3531.96 3229.46,3531.96 3235.24,3526.18 3235.24,3470.59 U7.128
  Bottom Layer w7: P1.10 1675,3705.27 1695.27,3685 3170,3685 3205.18,3649.82 v1(3205.18,3535)
NetP1_11: P1.11 U7.142 | length 1310.1
  Top Layer w7: v1(2585,3620) 2779.56,3425.44 2811.3,3425.44 2812.28,3426.42 2946.16,3426.42 2959.88,3440.14 U7.142
  Bottom Layer w7: P1.11 2565,3640 v1(2585,3620)
NetP1_12: P1.12 U7.125 | length 1793.7
  Top Layer w7: v1(3290,3395) 3290,3419.75 3294.53,3424.27 U7.125
  Bottom Layer w7: P1.12 1680,3640 1735,3585 2790,3585 2910,3465 3220,3465 v1(3290,3395)
NetP1_13: P1.13 U7.143 | length 1211.7
  Top Layer w7: v1(2725,3535) 2745.71,3514.29 2926.48,3514.29 2940.2,3500.57 U7.143
  Bottom Layer w7: P1.13 1777.5,3537.5 2722.5,3537.5 v1(2725,3535)
NetP1_14: P1.14 U7.124 | length 1849
  Top Layer w7: P1.14 1687.5,3540 1737.5,3490 v1(2195,3490) ; v1(3311.8,3343.2) 3311.8,3375.64 3317.28,3381.12 3317.28,3410.08 3314.21,3413.15 U7.124
  Bottom Layer w7: v1(2195,3490) 2199.38,3490 2209.38,3480 2860,3480 2895,3445 3201.42,3445 3278.7,3367.72 3287.28,3367.72 v1(3311.8,3343.2)
NetP1_15: P1.15 U7.144 | length 1158.1
  Top Layer w10: v1(2800,3452.72) 2803.77,3452.72 2821.05,3470 2919.68,3470 2920.03,3470.35 U7.144
  Bottom Layer w10: P1.15 2785.36,3440 2798.08,3452.72 v1(2800,3452.72)
NetP1_16: P1.16 U7.122 | length 1949.7
  Top Layer w7: U7.122 3354.29,3469.65 3354.29,3305.71 v1(3355,3305)
  Bottom Layer w7: P1.16 1675,3396.97 1686.97,3385 2487.44,3385 2514.72,3412.28 3202.72,3412.28 3310,3305 v1(3355,3305)
NetP2_2: P2.2 R10.1 U7.66 | length 1313.5
  Top Layer w10: P2.2 2740,2450 2820,2370 v1@2940,2370 ; v1(3315,2775) 3405,2775 3491.38,2688.62 U7.66
  Top Layer w40: v1@2940,2370 v1(2945,2375) 2943.8,2373.8 2943.8,2301.2 R10.1
  Bottom Layer w10: v1(2945,2375) 3095,2375 3315,2595 v1(3315,2775)
NetP2_3: P2.3 U7.67 U9.5 | length 1621.4
  Top Layer w10: v1(3400,2820) 3403.36,2816.64 3413.36,2816.64 3511.06,2718.94 U7.67
  Top Layer w25: U9.5 3394.61,2284.61 v1(3395,2285)
  Bottom Layer w10: v1(3395,2285) 3400,2290 v1(3400,2820)
  Bottom Layer w25: P2.3 2710,2285 v1(3395,2285)
NetP2_4: P2.4 U7.68 U9.2 | length 1807.3
  Top Layer w10: P2.4 2785,2110 v1(2845,2110) ; v1(3510,2110) U9.2 ; v1(3530,2770) 3530.4,2769.6 3530.4,2639.99 U7.68
  Bottom Layer w10: v1(2845,2110) v1(3510,2110) 3510,2120.82 3530,2140.82 v1(3530,2770)
NetP2_5: P2.5 R9.1 U7.70 U9.6 | length 2082.4
  Top Layer w10: U9.6 3395.33,2160.72 3478.41,2160.72 v1(3479.13,2161.45) ; v1(3570,2840) 3570,2710.82 3570.06,2710.76 3570.06,2639.7 U7.70
  Top Layer w25: R9.1 3212.4,2195 3300,2195 3335,2160 U9.6
  Bottom Layer w10: P2.5 2650.72,2155.72 3473.41,2155.72 v1(3479.13,2161.45) 3479.13,2814.13 3505,2840 v1(3570,2840)
NetP2_6: P2.6 U7.71 U9.1 | length 1987.7
  Top Layer w10: U7.71 3589.8,2730.05 3600,2740.25 v1(3600,2745)
  Top Layer w25: U9.1 v1(3695,2060)
  Bottom Layer w10: v1(3600,2745) 3695,2650 v1(3695,2060)
  Bottom Layer w25: P2.6 3678.24,2050 3688.24,2060 v1(3695,2060)
NetP3_A8: P3.A8 U7.115 | length 969.1
  Top Layer w7: U7.115 3491.38,3392.2 3505,3378.58 v1(3505,3305)
  Bottom Layer w7: v1(3505,3305) 3505,3615.28 3565,3675.28 3565,4020 3550.93,4034.07 3520.93,4034.07 P3.A8
NetP3_A9: P3.A9 U7.114 | length 847.8
  Top Layer w7: U7.114 3511.06,3403.94 v1(3540,3375)
  Bottom Layer w7: v1(3540,3375) 3540,3590 3658.03,3708.03 3658.03,4011.97 3648.72,4021.28 3633.72,4021.28 P3.A9
NetQ1_1: Q1.1 Q2.3 R19.1 | length 313.4
  Top Layer w40: Q1.1 4621.6,2731.04 4667.65,2685 R19.1
NetR1_1: R1.1 R3.1 S1.1 | length 518.2
  Top Layer w40: S1.1@1902.52,3423.58 2217.48,3423.58 2217.8,3423.27 2334.13,3423.27 R3.1 R1.1
NetR7_1: R7.1 U9.3 | length 170.6
  Top Layer w25: U9.3 3595.88,2159.51 3763.09,2159.51 R7.1
NetR8_1: R8.1 U9.7 | length 187.2
  Top Layer w25: R8.1 U9.7
NetR11_1: R11.1 U7.94 | length 140.3
  Top Layer w10: U7.94 3818.5,3123.9 R11.1
NetR11_2: R11.2 Y1.3 | length 111
  Top Layer w40: R11.2 3820.05,3047.55 Y1.3 Y1.3
NetR13_1: R13.1 U10.29 | length 116.8
  Top Layer w10: R13.1@2426.97,2914.37 R13.1
  Top Layer w15: U10.29 R13.1@2426.97,2914.37
NetR13_2: R13.2 U7.21 | length 411.3
  Top Layer w10: R13.2 2570,2920 2620,2970 2620,3000 2645,3025 2780,3025 2799.21,3005.79 U7.21
NetR15_2: R15.2 U10.13 | length 127
  Top Layer w15: R15.2@1950,2222.4 U10.13
NetR16_1: R16.1 U7.7 U10.46 | length 2121.9
  Top Layer w10: U7.7 2909.46,3281.38 2914.15,3286.06 3046.92,3286.06 3057.34,3275.64 3091.64,3275.64 v1(3095,3272.28)
  Top Layer w15: U10.46 2015.63,2835.63 2250,3070 v1(2375,3070)
  Top Layer w40: R16.1 2572.4,3100 v1(2620,3100)
  Bottom Layer w10: v1(2375,3070) 2405,3100 2705.42,3100 2709.82,3095.6 2810.49,3095.6 2827.4,3112.5 3008.13,3112.5 3008.78,3111.86 3071.86,3111.86 3095,3135 v1(3095,3272.28)
NetR17_1: R17.1 U7.8 U10.45 | length 2001.3
  Top Layer w10: U7.8@2849.99,3261.35 2850.34,3261.69 2910.99,3261.69 2919.3,3270 2981.47,3270 2991.47,3260 3032.28,3260 v1(3035,3257.28)
  Top Layer w15: U10.45 2019.9,2875 2247.3,3102.4 R17.1
  Top Layer w40: R17.1 2455,3107.4 v1(2455,3155)
  Bottom Layer w10: v1(2455,3155) 2481.22,3128.78 3006.56,3128.78 3007.83,3127.5 3014.35,3127.5 3014.99,3126.86 3050.95,3126.86 3058.73,3134.64 3058.73,3233.55 v1(3035,3257.28)
NetU7_9: U7.9 U10.41 | length 1646.5
  Top Layer w10: v1(1750,3015) 1753.15,3018.15 U10.41 ; U7.9 2849.99,3241.66 2958.34,3241.66 v1(2960,3240)
  Bottom Layer w10: v1(1750,3015) 1750.86,3015.86 1750.86,3059.14 1750,3060 1750,3220 1770,3240 v1(2960,3240)
NetU7_10: U7.10 U10.40 | length 1580.3
  Top Layer w10: U10.40 1792.52,3057.48 v1(1800,3050) ; U7.10 2906.98,3222.32 2918.08,3211.22 3003.78,3211.22 v1(3005,3210)
  Bottom Layer w10: v1(1800,3050) 1800,3165 1848.78,3213.78 2707.94,3213.78 2710.5,3211.22 3003.78,3211.22 v1(3005,3210)
NetU7_11: U7.11 U10.36 | length 1201.2
  Top Layer w10: U10.36 v1(1950,3185) ; U7.11 2905.45,3202.64 2925.65,3182.44 v1(2960,3182.44)
  Bottom Layer w10: v1(1950,3185) 2260.42,3185 2274.2,3198.78 2606.56,3198.78 2622.89,3182.44 v1(2960,3182.44)
NetU7_12: U7.12 U10.35 | length 1412.8
  Top Layer w10: U10.35 1989.69,3124.68 1989.69,3055.31 v1(1990,3055) ; U7.12 2897.05,3182.95 2926.85,3153.15 3017.92,3153.15 v1(3020.4,3155.64)
  Bottom Layer w10: v1(1990,3055) 1990,3159.14 1995.86,3165 2310,3165 2328.78,3183.78 2573.66,3183.78 2604.28,3153.15 3017.92,3153.15 v1(3020.4,3155.64)
NetU7_15: U7.15 U10.34 | length 1551
  Top Layer w10: U10.34 2028.74,3016.26 v1(2030,3015) ; U7.15 2964.55,3123.9 2965.65,3125 v1(3130,3125)
  Bottom Layer w10: v1(2030,3015) 2289.3,3015 2293.08,3018.78 2856.28,3018.78 2932.5,3095 3124.14,3095 3130,3100.86 v1(3130,3125)
NetU7_16: U7.16 U10.33 | length 1916.8
  Top Layer w10: v1(2065,3315) 2068.11,3311.89 U10.33 ; U7.16 2966.08,3104.21 2971.87,3110 3077.28,3110 3091.06,3096.22 3196.47,3096.22 3200.25,3100 v1(3205,3100)
  Bottom Layer w10: v1(2065,3315) 2618.6,3315 2639.38,3335.78 3164.22,3335.78 3205,3295 v1(3205,3100)
NetU7_17: U7.17 U10.32 | length 2032.8
  Top Layer w10: v1(2105,3350) 2107.48,3347.52 U10.32 ; U7.17 2967.61,3084.53 2978.08,3095 3070,3095 3100,3065 v1(3250,3065)
  Bottom Layer w10: v1(2105,3350) 2632.38,3350 2633.16,3350.78 3179.22,3350.78 3250,3280 v1(3250,3065)
NetU7_18: U7.18 U10.28 | length 977.2
  Top Layer w10: U10.28 v1(2575,2875) ; U7.18 2879.66,3064.84 2881.04,3066.22 v1(2990,3066.22)
  Bottom Layer w10: v1(2575,2875) 2944.14,2875 2990,2920.86 v1(2990,3066.22)
NetU7_19: U7.19 U10.27 | length 1106.1
  Top Layer w10: U10.27 2510.88,2835.63 2515.25,2840 v1(2520,2840) ; U7.19 2945.84,3045.16 2953.56,3037.44 3037.44,3037.44 v1(3040,3040)
  Bottom Layer w10: v1(2520,2840) 3019.14,2840 3040,2860.86 v1(3040,3040)
NetU7_20: U7.20 U10.31 | length 851.5
  Top Layer w10: v1(2115,3045) 2146.85,3076.85 U10.31 ; v1(2695,3060) 2770,3060 2804.53,3025.47 U7.20
  Bottom Layer w10: v1(2115,3045) 2118.78,3041.22 2517.27,3041.22 2536.05,3060 v1(2695,3060)
NetU7_22: U7.22 U10.26 | length 1206.9
  Top Layer w10: U10.26 2388.74,2796.26 2420,2765 v1(2515,2765) ; U7.22 2909.63,2986.1 2917.3,2993.78 3071.47,2993.78 3080.25,2985 v1(3085,2985)
  Bottom Layer w10: v1(2515,2765) 3025,2765 3085,2825 v1(3085,2985)
NetU7_23: U7.23 U10.8 | length 1664.6
  Top Layer w10: U7.23 2953.58,2966.42 v1(2955,2965)
  Top Layer w15: U10.8 1753.15,2413.15 2190,2850 v1(2190,2960)
  Bottom Layer w10: v1(2190,2960) 2611.29,2960 2616.29,2965 v1(2955,2965)
VAA: C43.2 C44.2 L1.2 R14.2 U10.1 U10.4 U10.16 U10.20 U10.22 U10.37 | length 2997.5
  Top Layer w15: U10.4 1655,2599.41 ; U10.1 1543.76,2718.76 1648.76,2718.76 v1(1650,2720) 1652.4,2717.6 1652.4,2708.72 1655,2706.12 1655,2599.41 ; C44.2 1615,3100 v1(1650,3065) ; C43.2 1808.39,3211.61 1835,3185 1901.84,3185 1910.63,3176.21 U10.37 ; R14.2 1727.6,2160 1663.79,2160 1655,2168.79 1655,2599.41 ; U10.16 2068.11,2406.94 v1@2223.13,2561.95 ; v1@2223.13,2562.58 2223.13,2603.13 2258.78,2638.78 U10.22 2425.39,2638.78 L1.2 ; v1@2225.04,2560.04 U10.20
  Top Layer w40: C44.2 C43.2
  Bottom Layer w15: v1(1650,3065) v1(1650,2720) 1807.42,2562.58 v1(2224.54,2562.58)
pads on no net: P3.A2 P3.A3 P3.A4 P3.A5 P3.A6 P3.A7 P3.B1 P3.B2 P3.B3 P3.B4 P3.B5 P3.B6 P3.B7 P3.B8 P3.B9 P3.B10 P3.SOP U7.2 U7.3 U7.4 U7.25 U7.26 U7.28 U7.29 U7.32 U7.33 U7.34 U7.35 U7.36 U7.37 U7.38 U7.39 U7.41 U7.42 U7.43 U7.44 U7.45 U7.47 U7.48 U7.49 U7.50 U7.51 U7.52 U7.55 U7.56 U7.58 U7.60 U7.61 U7.62 U7.63 U7.64 U7.73 U7.74 U7.75 U7.76 U7.77 U7.78 U7.79 U7.80 U7.81 U7.82 U7.83 U7.84 U7.85 U7.87 U7.88 U7.90 U7.91 U7.93 U7.95 U7.96 U7.97 U7.98 U7.99 U7.101 U7.102 U7.104 U7.105 U7.106 U7.107 U7.109 U7.110 U7.112 U7.113 U7.116 U7.120 U7.121 U7.133 U7.134 U7.135 U10.2 U10.3 U10.6 U10.7 U10.9 U10.11 U10.12 U10.14 U10.19 U10.24 U10.25 U10.30 U10.39 U10.42 U10.44

## Polygon pours and split planes (outlines as drawn)
GND on Bottom Layer "GND_L02_P000" (solid, pour order 0): 1460,1830 1460,4230 5270,4230 5270,1830
GND on Top Layer "GND_L01_P001" (solid, pour order 1): 1460,1830 1460,4230 5270,4230 5270,1830

## Keep-outs
Keep-Out Layer:
  the board outline again, w10

## Silkscreen, mask and mechanical layers (free items; w line width, h text height)
Top Overlay:
  drawing of 167 lines, arcs and shapes, not listed
  text "118" at 1938,4168 h30
  text "136" at 2128,4168 h30
  text "119" at 1938,4103 h30
  text "137" at 2128,4103 h30
  text "130" at 1938,4038 h30
  text "138" at 2128,4038 h30
  text "129" at 1938,3973 h30
  text "139" at 2128,3973 h30
  text "128" at 1938,3908 h30
  text "141" at 2128,3908 h30
  text "125" at 1938,3833 h30
  text "142" at 2128,3833 h30
  text "124" at 1938,3763 h30
  text "143" at 2128,3763 h30
  text "122" at 1938,3698 h30
  text "144" at 2128,3698 h30
  text "GND" at 4792,2503 h30 r90
  text "GND" at 4792,2398 h30 r90
  text "3V3" at 4792,2288 h30 r90
Bottom Overlay:
  drawing of 4 lines, arcs and shapes, not listed
  text "FACULTAD" at 2595.27,3148.78 h100
  text "DE" at 2590.27,2988.78 h100
  text "INGENIERIA" at 2605.27,2838.78 h100
  text "UNMDP" at 4225,2730 h100

## Text inside footprints (layer, text, board x,y; h text height)
C1: Top Overlay "+" at 4710,3760 h60
C2: Top Overlay "+" at 4700,3970 h60
C3: Top Overlay "+" at 4274.96,2660.63 h47.24 r270
C4: Top Overlay "+" at 4459.37,2454.96 h47.24
C34: Top Overlay "+" at 3255.04,3544.37 h47.24 r90
C36: Top Overlay "+" at 3280.63,2465.04 h47.24 r180
C46: Top Overlay "+" at 4740,3255 h60
C47: Top Overlay "+" at 4695,2925 h60